# Altium PCB PCB3.PcbDoc (part 3 of 8)
Units mil, origin at the board's own origin, x right, y up, seen from the top; angles counter-clockwise.
Board outline 4763.78 x 6574.87 mil, 6 copper layers (Top Layer, GND, ADDR, DATA, VCC, Bottom Layer), stack 77.691 mil thick; 402 components, 418 nets, 1809 pads, 1202 vias.
Unrouted connection lines stored in the file: 117.
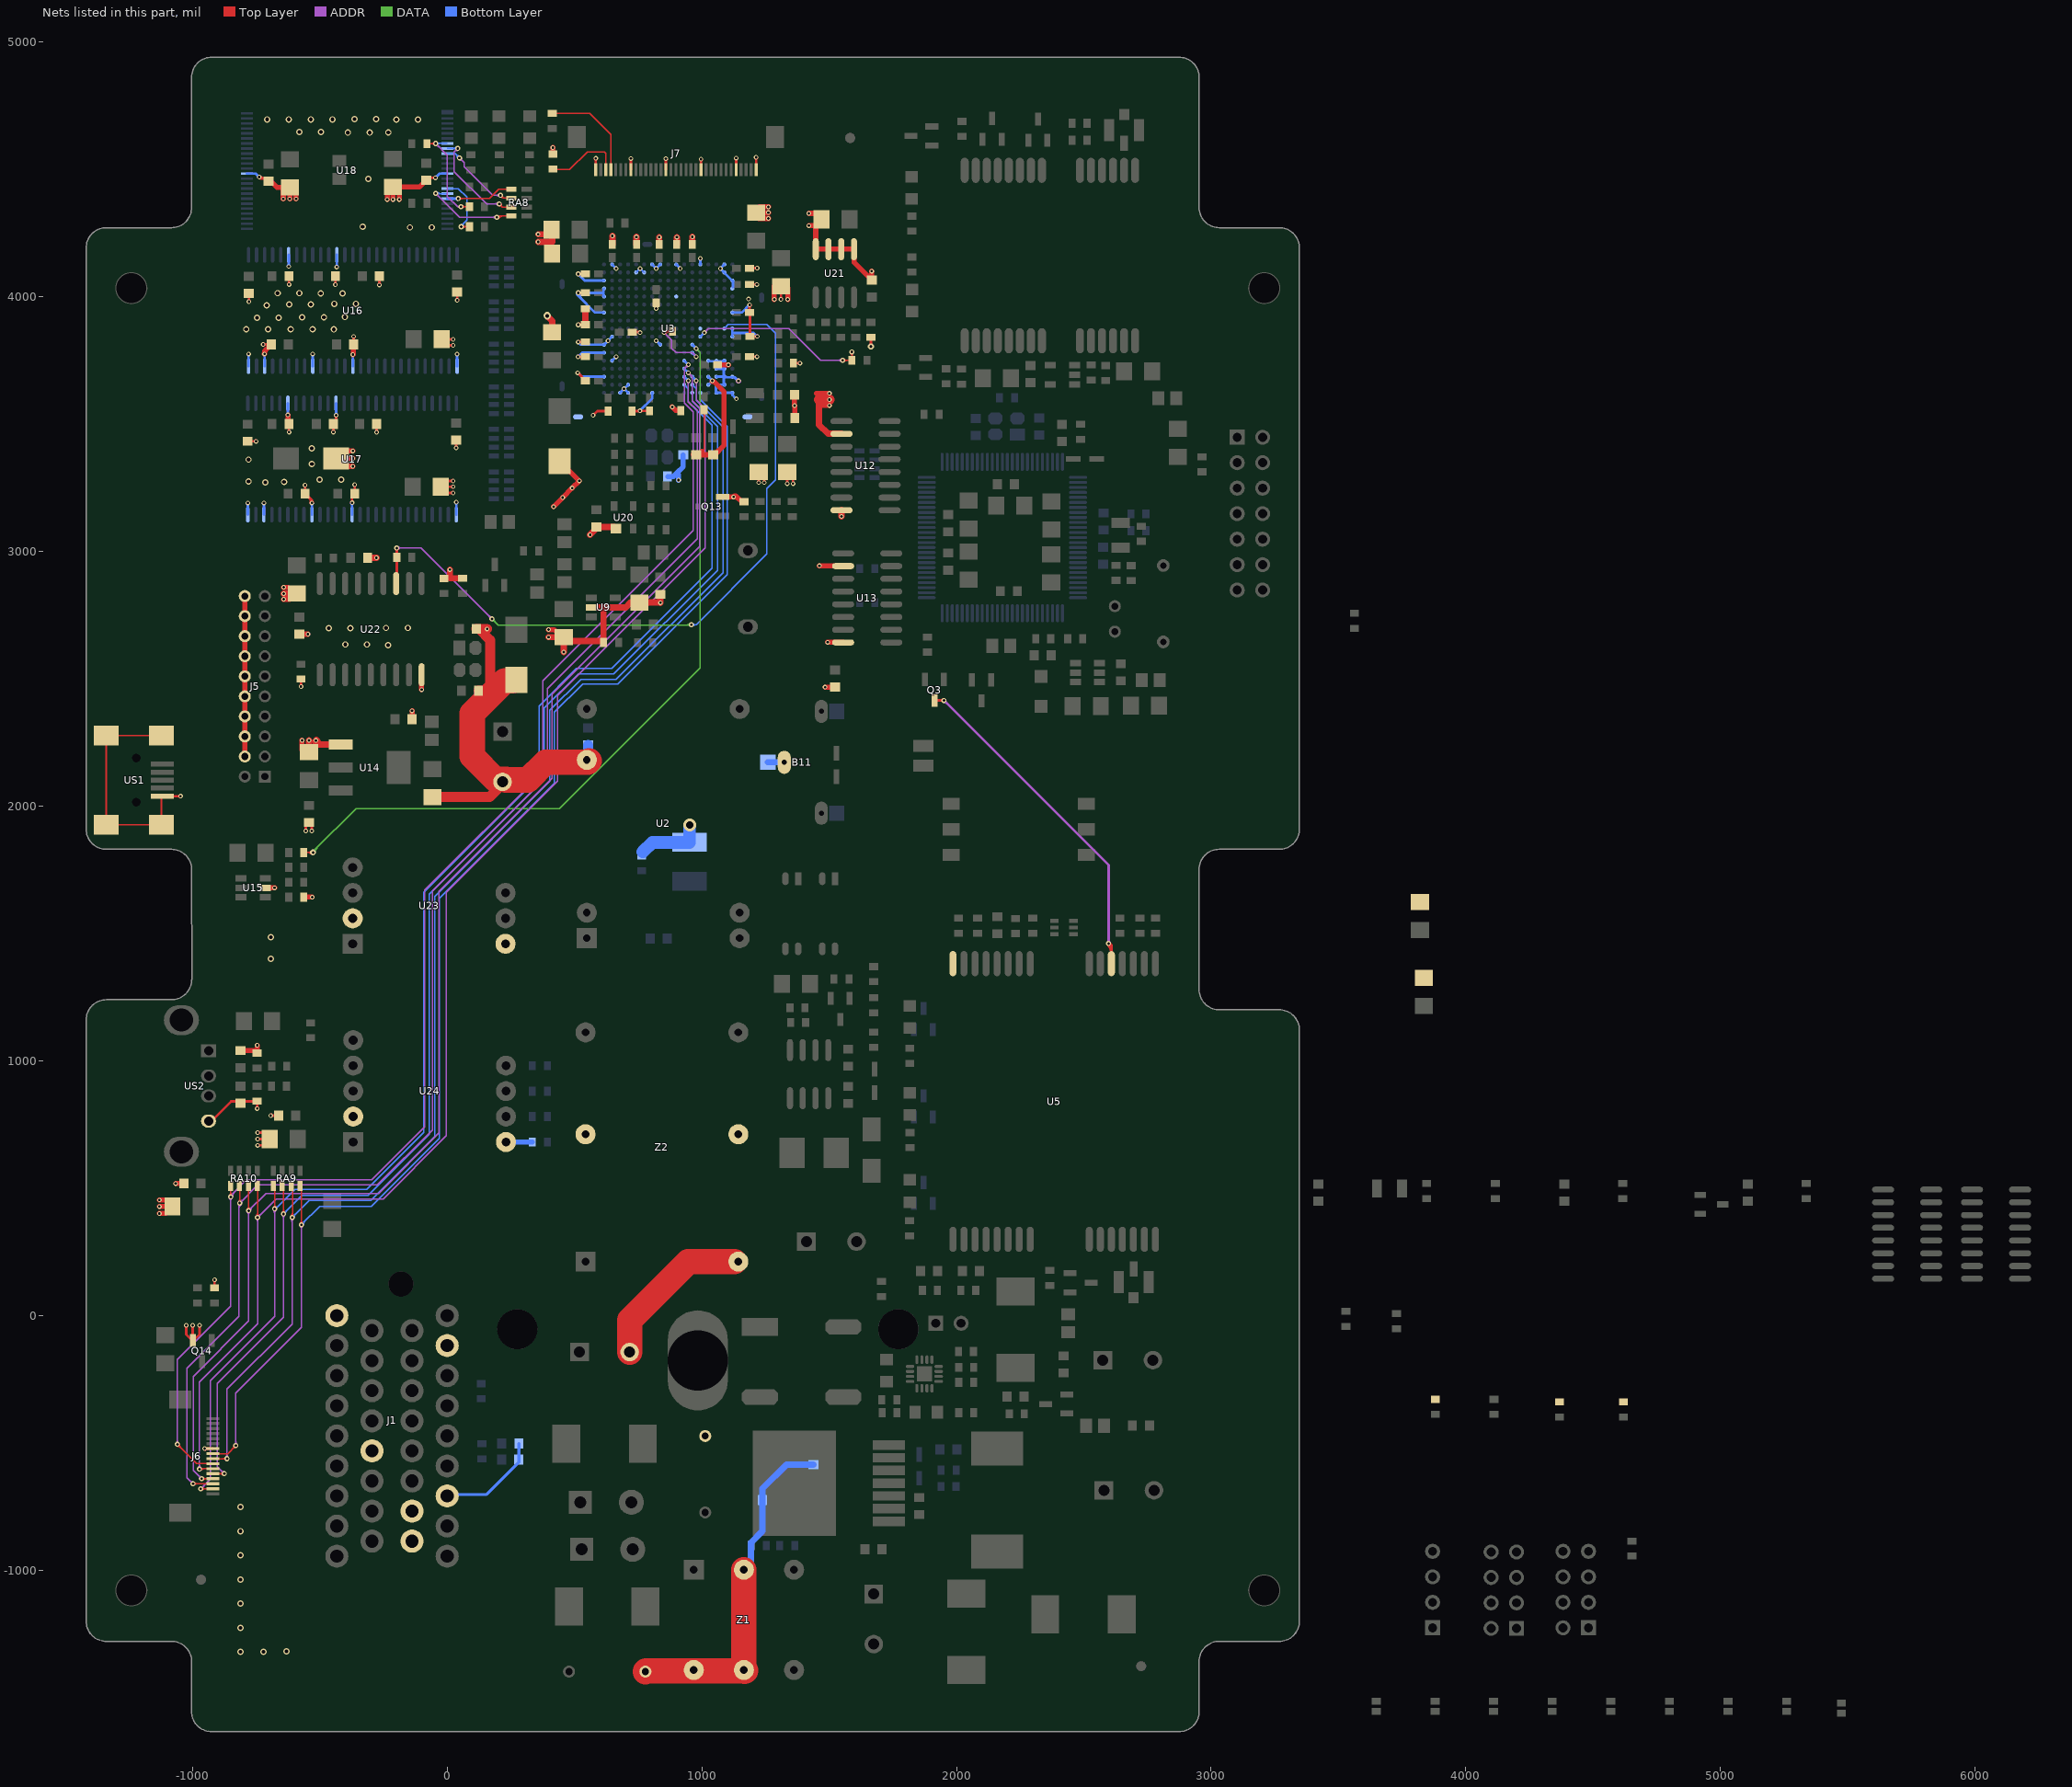
[diagram p7: the nets of this part, all layers, seen from the top]

## Via types
v1: diameter 18, hole 10, Top Layer to Bottom Layer, tented both sides, 404 vias
v2: diameter 20, hole 10, Top Layer to Bottom Layer, tented both sides, 379 vias
v3: diameter 25, hole 15, Top Layer to Bottom Layer, tented both sides, 363 vias
v4: diameter 23.62, hole 11.81, Top Layer to Bottom Layer, tented both sides, 51 vias
v5: diameter 50, hole 28, Top Layer to Bottom Layer, tented both sides, 4 vias
v6: diameter 30, hole 15, Top Layer to Bottom Layer, tented both sides, 1 vias

## Nets (pads, with @x,y where several pads share a name; then routed paths per layer and width w, separated by ;. In a path a pad name is that pad's centre, name@x,y a point inside that pad or via, vN(x,y) a via of type N, cw(c..) or ccw(c..) an arc to the next point about the centre after c; other vN are vias at no path point) (continued)
DGND: B11.2 C8.2 C9.2 C10.2 C11.2 C12.2 C13.2 C14.2 C15.2 C16.2 C17.2 C18.2 C19.2 C20.2 C21.2 C22.2 C23.2 C24.2 C25.2 C26.2 C27.2 C28.2 C29.2 C30.2 C31.2 C32.2 C33.2 C34.2 C35.2 C36.2 C37.2 C38.2 C39.2 C40.2 C41.2 C56.2 C61.2 C62.2 C63.1 C64.1 C65.2 C66.2 C67.2 C68.2 C69.2 C70.2 C71.2 C72.2 C73.2 C74.2 C75.2 C76.2 C77.2 C78.2 C79.2 C80.2 C81.2 C82.2 C83.2 C84.2 C85.2 C86.2 C87.2 C88.2 CM1.1 CP1.2 CP2.2 CP3.2 CP4.2 CP5.2 CP6.2 CP7.2 CP15.2 CP16.2 CP19.2 CP20.2 CP21.2 CP22.2 CP23.2 CP24.2 CP25.2 CP26.2 CP27.2 CP28.2 CP29.2 CP30.2 CT1.2 CT2.2 CT3.2 CV3.2 J1.9 J1.13 J1.33 J5.4 J5.6 J5.8 J5.10 J5.12 J5.14 J5.16 J5.18 J5.20 J6.7 J7.1 J7.5 J7.12 J7.19 J7.26 J7.33 pad.1@514.13,3528.98 pad.1@1179,3528.98 Q13.2 Q14.2 R7.1 R8.2 R23.2 R48.1 R62.2 R66.2 R69.2 R78.2 R86.2 R88.2 R93.1 R97.2 RN3.2 RN4.2 RN5.2 RN10.2 U2.16 U3.A3 U3.A4 U3.A5 U3.A7 U3.A11 U3.A12 U3.A15 U3.B1 U3.B10 U3.B13 U3.C17 U3.D16 U3.D17 U3.E2 U3.F2 U3.G1 U3.G17 U3.H1 U3.H11 U3.K1 U3.M12 U3.N1 U3.P13 U3.P15 U3.P16 U3.R13 U3.R14 U3.R15 U3.R16 U3.R17 U3.T1 U3.T2 U3.T13 U3.T14 U3.T15 U3.T16 U3.T17 U3.U3 U3.U4 U3.U7 U3.U9 U3.U10 U3.U15 U3.U17 U9.2 U12.2 U12.8 U13.2 U13.8 U14.1 U15.2 U16.6 U16.12 U16.28 U16.41 U16.46 U16.52 U16.54 U17.6 U17.12 U17.28 U17.41 U17.46 U17.52 U17.54 U18.13 U18.36 U20.1 U21.1 U21.2 U21.3 U21.4 U22.9 U23.2 U24.2 US1.5 US1.MH1 US1.MH2 US1.MH3 US1.MH4 US2.4 | length 16592
  Top Layer w6: US1.MH3@-1122.05,2277.56 US1.MH4@-1338.58,2277.56 US1.MH2@-1338.58,1927.17 US1.MH1@-1122.05,1927.17 -1122.05,2035.44 US1.5@-1118.11,2039.37 ; 1001.11,3392.85 1010.02,3401.75 1010.02,3555.35 C10.2@1008.83,3556.54
  Top Layer w10: US1.5@-1118.11,2039.37 v1(-1046.99,2039.37) ; v1@-1049.82,2036.54 ccw(c-1056.65,2029.72) -1056.65,2039.37 ccw(c-1056.65,2049.03) v1@-1049.82,2042.2 ; v1@-1027.43,-41.21 cw(c-1034.26,-48.04) -1024.61,-48.04 cw(c-1014.95,-48.04) v1@-1021.78,-41.21 ; v1(-1024.61,-38.39) -1024.61,-73.82 Q14.2@-1002.95,-95.47 ; v1@-1001.84,-41.21 cw(c-1008.67,-48.04) -999.02,-48.04 cw(c-989.36,-48.04) v1@-996.19,-41.21 ; Q14.2@-999.02,-97.44 v1(-999.02,-38.39) ; Q14.2@-995.08,-96.46 -972.44,-73.82 v1(-972.44,-38.39) ; v1@-975.27,-41.21 cw(c-982.1,-48.04) -972.44,-48.04 cw(c-962.78,-48.04) v1@-969.61,-41.21 ; v1@-952.78,-522.64 J6.7@-920.28,-522.64 ; v1@-949.97,-525.49 cw(c-943.08,-532.38) J6.7@-943.08,-522.64 ; v1@-949.97,-519.83 ccw(c-943.21,-513.07) J6.7@-943.21,-522.64 ; US2.4@-937.01,763.78 -925.95,763.78 -848.19,841.54 R69.2@-746.06,841.54 v1(-746.06,812.99) ; v1@-916.28,137.85 cw(c-923.11,131.02) -913.46,131.02 cw(c-903.8,131.02) v1@-910.63,137.85 ; R88.2@-913.46,108.94 v1(-913.46,140.68) ; C73.2@-783.41,3432.97 v1(-749.88,3432.97) ; v1@-781.24,3984.26 ccw(c-788.07,3991.09) -778.41,3991.09 ccw(c-768.75,3991.09) v1@-775.58,3984.26 ; v1(-778.41,3981.43) C71.2@-778.41,4013.97 ; v1@-752.7,3430.14 ccw(c-759.53,3423.31) -759.53,3432.97 ccw(c-759.53,3442.63) v1@-752.7,3435.8 ; v1@-748.89,815.82 ccw(c-755.72,822.65) -746.06,822.65 ccw(c-736.41,822.65) v1@-743.23,815.82 ; v1(-744.09,668.31) CP30.2@-704.72,668.31 ; v1(-744.09,692.91) CP30.2@-696.85,692.91 ; v1(-744.09,718.5) CP30.2@-700.79,718.5 ; v1@-741.27,665.48 cw(c-734.44,658.65) -734.44,668.31 cw(c-734.44,677.96) v1@-741.27,671.14 ; v1@-741.27,690.08 cw(c-734.44,683.26) -734.44,692.91 cw(c-734.44,702.57) v1@-741.27,695.74 ; v1@-741.27,715.68 cw(c-734.44,708.85) -734.44,718.5 cw(c-734.44,728.16) v1@-741.27,721.33 ; v1(-738.19,4470.47) -733.27,4465.55 C79.2@-700.79,4465.55 ; v1@-735.36,4473.3 ccw(c-716.65,4492.01) C79.2@-716.65,4465.55 ; v1(-722.41,3813.43) C66.2@-690.88,3813.43 ; v1@-719.58,3810.61 cw(c-712.75,3803.78) -712.75,3813.43 cw(c-712.75,3823.09) v1@-719.58,3816.26 ; v1(-692.91,785.43) C88.2@-661.42,785.43 ; v1@-690.08,782.6 cw(c-683.26,775.78) -683.26,785.43 cw(c-683.26,795.09) v1@-690.08,788.26 ; v1@-623.78,3471.73 ccw(c-630.6,3478.56) -620.95,3478.56 ccw(c-611.29,3478.56) v1@-618.12,3471.73 ; v1@-623.78,4051.73 ccw(c-630.6,4058.56) -620.95,4058.56 ccw(c-611.29,4058.56) v1@-618.12,4051.73 ; v1(-620.95,3468.9) C78.2@-620.95,3501.43 ; v1(-620.95,4048.9) C70.2@-620.95,4081.43 ; v1@-576.65,2472.32 ccw(c-583.48,2479.15) -573.82,2479.15 ccw(c-564.16,2479.15) v1@-570.99,2472.32 ; v1(-573.82,2469.49) R86.2@-573.82,2499.02 ; v1@-560.78,3258.14 cw(c-567.6,3251.31) -557.95,3251.31 cw(c-548.29,3251.31) v1@-555.12,3258.14 ; v1@-557.95,1905.39 ccw(c-564.77,1912.22) -555.12,1912.22 ccw(c-545.46,1912.22) v1@-552.29,1905.39 ; v1(-557.95,3260.97) C74.2@-557.95,3227.43 -530.89,3200.38 ; v1(-555.12,1902.56) -555.12,1934.06 C61.2@-553.15,1936.02 ; C74.2@-544.38,3213.87 cw(c-567.3,3190.95) v1@-534.89,3190.95 ; v1@-534.32,1905.39 ccw(c-541.15,1912.22) -531.5,1912.22 ccw(c-521.84,1912.22) v1@-528.67,1905.39 ; v1@-533.67,3193.83 ccw(c-539.99,3200.38) -530.89,3200.38 ; v1(-531.5,1902.56) C61.2@-531.5,1935.04 ; v1(-530.89,3190.95) -530.89,3200.38 ; v1@-528.11,3193.83 cw(c-521.79,3200.38) -530.89,3200.38 ; v1@-449.78,3471.8 ccw(c-456.6,3478.63) -446.95,3478.63 ccw(c-437.29,3478.63) v1@-444.12,3471.8 ; v1(-446.95,3468.97) C77.2@-446.95,3501.43 ; v1@-441.78,4050.8 ccw(c-448.6,4057.63) -438.95,4057.63 ccw(c-429.29,4057.63) v1@-436.12,4050.8 ; v1@-439.23,3532.6 cw(c-446.06,3525.77) -436.4,3525.77 cw(c-426.75,3525.77) v1@-433.57,3532.6 ; v1(-438.95,4047.97) C69.2@-438.95,4081.43 ; C77.2@-436.4,3510.45 v1(-436.4,3535.43) ; v1@-376.24,3194.26 ccw(c-383.07,3201.09) -373.41,3201.09 ccw(c-363.75,3201.09) v1@-370.58,3194.26 ; v1(-373.41,3191.43) C75.2@-373.41,3216.97 ; v1@-369.78,3842.07 cw(c-376.6,3835.24) -366.95,3835.24 cw(c-357.29,3835.24) v1@-364.12,3842.07 ; C67.2@-366.95,3812.93 v1(-366.95,3844.9) ; v1@-365.78,3260.07 cw(c-372.6,3253.24) -362.95,3253.24 cw(c-353.29,3253.24) v1@-360.12,3260.07 ; C75.2@-362.95,3227.43 v1(-362.95,3262.9) ; v1@-279.78,3470.8 ccw(c-286.6,3477.63) -276.95,3477.63 ccw(c-267.29,3477.63) v1@-274.12,3470.8 ; v1(-276.95,3467.97) C76.2@-276.95,3501.43 ; v1@-268.78,4049.8 ccw(c-275.6,4056.63) -265.95,4056.63 ccw(c-256.29,4056.63) v1@-263.12,4049.8 ; v1(-265.95,4046.97) C68.2@-265.95,4081.43 ; C80.2@-82.68,4455.71 -70.87,4467.52 v1(-46.26,4467.52) ; v1@-49.09,4464.69 ccw(c-55.92,4457.86) -55.92,4467.52 ccw(c-55.92,4477.18) v1@-49.09,4470.35 ; CP24.2@-21.29,3254.43 v1(23.59,3254.43) ; CP23.2@-21.29,3833.43 v1(23.59,3833.43) ; CP24.2@1.71,3277.43 v1(23.59,3277.43) ; CP24.2@2.71,3230.43 v1(23.59,3230.43) ; CP23.2@2.71,3809.43 v1(23.59,3809.43) ; v1@20.76,3227.61 ccw(c13.93,3220.78) 13.93,3230.43 ccw(c13.93,3240.09) v1@20.76,3233.26 ; v1@20.76,3251.61 ccw(c13.93,3244.78) 13.93,3254.43 ccw(c13.93,3264.09) v1@20.76,3257.26 ; v1@20.76,3274.61 ccw(c13.93,3267.78) 13.93,3277.43 ccw(c13.93,3287.09) v1@20.76,3280.26 ; v1@20.76,3806.61 ccw(c13.93,3799.78) 13.93,3809.43 ccw(c13.93,3819.09) v1@20.76,3812.26 ; v1@20.76,3830.61 ccw(c13.93,3823.78) 13.93,3833.43 ccw(c13.93,3843.09) v1@20.76,3836.26 ; v1@32.76,3409.94 ccw(c25.93,3416.77) 35.59,3416.77 ccw(c45.25,3416.77) v1@38.42,3409.94 ; v1(35.59,3407.11) C72.2@35.59,3437.97 ; v1@36.76,3989.26 ccw(c29.93,3996.09) 39.59,3996.09 ccw(c49.25,3996.09) v1@42.42,3989.26 ; v1(39.59,3986.43) C65.2@39.59,4018.97 ; v1@512.77,3698.21 cw(c512.77,3688.55) 519.6,3695.38 cw(c526.43,3702.21) v1@516.77,3702.21 ; v1(512.77,3702.21) 543.28,3671.69 C25.2@543.28,3670.71 ; v1(514.13,3764.98) C18.2@542.87,3764.98 ; v1(514.46,3822.85) C21.2@542.87,3822.85 ; v2(514.46,3890.85) C15.2@542.87,3890.85 ; v2(514.59,4015.98) C16.2@542.87,4015.98 ; v2(514.59,4089.98) 542.42,4089.98 C40.2@542.87,4090.43 ; v1@516.96,3762.15 cw(c523.79,3755.32) 523.79,3764.98 cw(c523.79,3774.63) v1@516.96,3767.81 ; v1@517.29,3820.02 cw(c524.12,3813.19) 524.12,3822.85 cw(c524.12,3832.51) v1@517.29,3825.68 ; v2@518,3887.31 cw(c526.54,3878.78) 526.54,3890.85 cw(c526.54,3902.92) v2@518,3894.38 ; v2@518.13,4012.44 cw(c526.66,4003.91) 526.66,4015.98 cw(c526.66,4028.05) v2@518.13,4019.51 ; v2@518.13,4086.44 cw(c526.66,4077.91) 526.66,4089.98 cw(c526.66,4102.05) v2@518.13,4093.51 ; v1(572.81,3534.88) 589.54,3551.62 C14.2@631.86,3551.62 ; v1@572.81,3538.88 ccw(c572.81,3548.54) 579.64,3541.71 ccw(c586.47,3534.88) v1@576.81,3534.88 ; v1@580.68,4541.31 cw(c573.85,4534.48) 583.51,4534.48 cw(c593.16,4534.48) v1@586.33,4541.31 ; J7.33@583.51,4499.87 v1(583.51,4544.14) ; v1@693.87,3638.23 v1(694.86,3639.21) ; v1@718.47,4540.63 cw(c711.64,4533.81) 721.3,4533.81 cw(c730.96,4533.81) v1@724.13,4540.63 ; J7.26@721.3,4499.87 v1(721.3,4543.46) ; C24.2@726.35,3551.62 755.89,3551.62 v1(756.86,3552.58) C35.2@795.25,3552.6 ; C22.2@727.05,3862.98 728.38,3861.65 v1@757.84,3861.65 ; C22.2@743.44,3861.65 cw(c743.44,3845.28) v1@755.02,3856.86 ; 744.87,3551.62 ccw(c744.87,3564.58) v1@754.03,3555.41 ; v1@759.69,3549.76 cw(c766.52,3542.93) 766.52,3552.58 cw(c766.52,3562.24) v1@759.69,3555.41 ; v1(852.34,3859.69) 857.26,3864.61 C13.2@884.82,3864.61 ; v1@855.17,3856.86 cw(c873.88,3838.15) C13.2@873.88,3864.61 ; v1@856.27,4539.65 cw(c849.44,4532.82) 859.1,4532.82 cw(c868.75,4532.82) v1@861.92,4539.65 ; J7.19@859.1,4499.87 v1(859.1,4542.48) ; v1@994.06,4538.35 cw(c987.23,4531.53) 996.89,4531.53 cw(c1006.55,4531.53) v1@999.72,4538.35 ; J7.12@996.89,4499.87 v1(996.89,4541.18) ; v1@1131.86,4542.6 cw(c1125.03,4535.78) 1134.69,4535.78 cw(c1144.34,4535.78) v1@1137.51,4542.6 ; J7.5@1134.69,4499.87 v1(1134.69,4545.43) ; v1@1135.88,3598.48 v1(1135.88,3599.59) ; C36.2@1184.06,3937.01 1188.95,3932.11 C26.2@1188.95,3844.92 v1(1218.07,3844.92) ; C32.2@1186.98,3765.2 v1(1217.09,3765.2) ; C36.2@1186.98,3939.41 v1@1186.98,3970.45 ; 1186.98,3956.41 cw(c1200.09,3956.41) v1@1190.82,3965.68 ; C33.2@1186.98,4048.66 v1(1216.51,4048.66) ; C37.2@1186.98,4112.64 v1(1217.49,4112.64) ; v1@1210.6,4545.24 cw(c1203.77,4538.41) 1213.43,4538.41 cw(c1223.08,4538.41) v1@1216.25,4545.24 ; J7.1@1213.43,4499.87 v1(1213.43,4548.07) ; v1@1213.68,4045.83 ccw(c1206.85,4039.01) 1206.85,4048.66 ccw(c1206.85,4058.32) v1@1213.68,4051.49 ; v1@1214.26,3762.37 ccw(c1207.43,3755.54) 1207.43,3765.2 ccw(c1207.43,3774.85) v1@1214.26,3768.03 ; v1@1214.67,4109.81 ccw(c1207.84,4102.98) 1207.84,4112.64 ccw(c1207.84,4122.3) v1@1214.67,4115.47 ; v1@1215.24,3842.09 ccw(c1208.41,3835.27) 1208.41,3844.92 ccw(c1208.41,3854.58) v1@1215.24,3847.75 ; v1@1220.57,3273.52 ccw(c1213.74,3280.35) 1223.4,3280.35 ccw(c1233.06,3280.35) v1@1226.23,3273.52 ; v1(1223.4,3270.69) CP7.2@1223.4,3311.46 ; v1(1245.05,3270.69) CP7.2@1245.05,3289.8 ; v1@1308.2,3992.99 ccw(c1301.37,3999.81) 1311.02,3999.81 ccw(c1320.68,3999.81) v1@1313.85,3992.99 ; v1(1311.02,3990.16) CP5.2@1311.02,4041.34 ; v1(1335.6,3266.71) CP4.2@1335.6,3311.46 ; v1(1358.29,3266.71) CP4.2@1358.29,3288.77 ; R23.2@1360.24,3739.83 v1(1385.5,3739.83) ; v1@1382.68,3737.01 ccw(c1375.85,3730.18) 1375.85,3739.83 ccw(c1375.85,3749.49) v1@1382.68,3742.66 ; v4@1659.31,3809.69 ccw(c1647.68,3821.32) 1664.12,3821.32 ccw(c1680.57,3821.32) v4@1668.94,3809.69 ; v4(1664.12,3804.87) R93.1@1664.12,3840.76
  Top Layer w20: v1(-1129.92,400.59) CP27.2@-1104.33,400.59 ; v1(-1129.92,428.15) CP27.2@-1078.74,428.15 ; v1(-1129.92,453.74) CP27.2@-1103.35,453.74 ; v1(-1065.94,518.7) C82.2@-1033.46,518.7 ; C63.1@-812.01,1040.35 R66.2@-753.94,1040.35 ; J5.4@-794.62,2196.52 J5.6@-794.62,2273.98 J5.8@-794.62,2352.72 J5.10@-794.62,2431.46 J5.12@-794.62,2510.2 J5.14@-794.62,2588.94 J5.16@-794.62,2667.68 J5.18@-794.62,2746.42 J5.20@-794.62,2825.16 ; R66.2@-746.06,1030.45 R66.2@-746.06,1032.48 ; v1(-746.06,1061.02) R66.2@-746.06,1032.48 ; R66.2@-741.14,1027.56 R66.2@-746.06,1032.48 ; v1@-717.87,3775.98 cw(c-692.6,3775.98) -710.47,3793.84 ; v1@-716.54,3775.59 -716.54,3787.77 C66.2@-690.88,3813.43 ; U15.2@-714.59,1679.57 v1(-677.6,1679.57) ; C79.2@-695.87,4457.68 -668.31,4430.12 CP26.2@-618.11,4430.12 v1(-618.11,4384.84) ; v1(-643.7,4384.84) CP26.2@-643.7,4417.32 ; v1(-642.17,2812.44) CP29.2@-618.54,2812.44 ; v1(-642.17,2859.8) CP29.2@-624.57,2859.8 ; v1(-625.38,3536.47) -625.38,3502.35 C78.2@-623.03,3500 ; v1(-593.5,4384.84) CP26.2@-593.5,4427.17 ; C84.2@-579.75,2675.63 v1(-546.69,2675.63) ; CP21.2@-569.88,2221.46 v1(-569.88,2258.86) ; R62.2@-563.02,1643.15 v1(-529.96,1643.15) ; CT3.2@-436.05,3365.59 v1(-370.27,3365.59) ; CT3.2@-421.07,3394.87 v1(-370.27,3394.87) ; CT3.2@-410.62,3334.83 v1(-370.27,3334.83) ; v1(-370.41,3773.43) -369.09,3774.75 C67.2@-369.09,3822.83 ; v1(-235.24,4382.87) CP25.2@-235.24,4419.29 ; v1(-212.6,4382.87) CP25.2@-212.6,4431.1 -109.25,4431.1 C80.2@-82.68,4457.68 ; CP25.2@-192.91,4417.32 -187.99,4412.4 v1(-187.99,4382.87) ; C62.2@-137.82,2340.99 v1(-137.82,2374.97) ; v1(-100.22,2457.85) U22.9@-100.22,2516.18 ; v1(398.07,2693.46) 419.73,2693.46 CP16.2@445.87,2667.32 ; RN10.2@415.35,4561.02 v1(415.35,4586.61) ; v1(417.73,3176.18) v1(453.74,3212.19) v1(490.85,3249.3) v1(519.11,3277.56) CT2.2@441.9,3354.77 ; v1(883.86,3567.91) 898.19,3553.58 C12.2@917.3,3553.58 ; C28.2@967.08,3380.36 C28.2@977.34,3380.36 ; 1001.11,3392.85 988.19,3379.92 1042.32,3379.92 C29.2@1043.31,3380.91 ; v1@1040.35,3668.31 1046.26,3668.31 1087.6,3626.97 1087.6,3417.32 C29.2@1049.21,3378.94 ; C11.2@1064.31,3731.37 C11.2@1061.98,3733.7 1104.88,3733.7 v1(1104.45,3733.27) ; Q13.2@1081.67,3214.57 v1(1125,3214.57) 1137.8,3214.57 ; v1@1124.38,3215.35 cw(c1130.65,3207.42) 1137.8,3214.57 ; v1@1125,3215.57 cw(c1125,3187.09) 1145.14,3207.23 ; R78.2@1156.5,3195.87 1137.8,3214.57 ; CP6.2@1213.58,4330.71 v1(1261.81,4330.71) ; CP6.2@1224.41,4308.07 v1(1261.81,4308.07) ; CP6.2@1225.39,4353.35 v1(1261.81,4353.35) ; v1(1284.45,3990.16) 1284.45,4042.32 CP5.2@1297.24,4055.12 ; v1(1337.6,3990.16) CP5.2@1337.6,4035.43 ; C30.2@1364.15,3615.59 v1(1364.15,3572.86) 1365.13,3571.88 C19.2@1365.13,3525.04 ; v1(1420.49,4279.74) CP28.2@1447.39,4279.74 ; v1(1420.49,4327.97) CP28.2@1458.87,4327.97 ; CP28.2@1447.39,4281.51 CP28.2@1455.48,4289.6 ; 1450.79,3621.06 v1(1500.98,3621.06) ; v1(1461.61,2943.9) U13.2@1555.12,2943.9 ; CP28.2@1462.6,4282.48 1459.86,4279.74 CP28.2@1447.39,4279.74 ; 1469.49,3573.82 v1(1500.98,3573.82) ; v1(1484.25,2467.52) C41.2@1522.64,2467.52 ; v1(1493.9,2643.9) U13.8@1555.12,2643.9 ; v1(1667.08,4101.13) C83.2@1667.08,4066.16 1597.39,4135.84 U21.1@1597.39,4187.22 U21.2@1547.39,4187.22 U21.3@1497.39,4187.22 U21.4@1447.39,4187.22 CP28.2@1447.39,4279.74
  Top Layer w25: v1(-642.17,2835.08) CP29.2@-590.58,2835.08 ; v1(-542.35,2258.83) CP21.2@-542.35,2213.03 CP21.2@-513.8,2241.58 ; CP21.2@-522.67,2232.71 ccw(c-547.84,2257.87) v1@-512.25,2257.87 ; v1@-518.22,2255.4 ccw(c-484.85,2288.77) -484.85,2241.58 ; v1@-513.09,2260.15 cw(c-523.48,2251.25) CP21.2@-513.8,2241.58 ; U14.1@-404.55,2241.58 CP21.2@-513.8,2241.58 ; C85.2@-312.03,2975.83 v1(-277.58,2975.83) ; v1(10.83,2929.28) 10.83,2896.1 11.81,2895.12 R7.1@61,2895.12 ; v1(357.53,4215.55) 412.47,4215.55 CP2.2@412.47,4262.15 ; v1(357.53,4245.82) 392.01,4245.82 CP2.2@410.41,4264.21 ; v6(392.69,3925.63) 412.38,3905.95 CP1.2@412.38,3860.67 ; v1(398.07,2663.82) CP16.2@445.87,2663.82 ; v1(457.65,2605.34) CP16.2@457.65,2663.82 472.42,2649.06 608.24,2649.06 R48.1@614.15,2643.15 614.15,2780.95 ; C15.2@542.87,3890.85 C23.2@542.87,3952.98 ; v1(561.42,3065.35) 586.59,3090.53 C81.2@586.59,3096.89 656.47,3096.89 U20.1@663.36,3090 ; U9.2@565.92,2780.95 614.15,2780.95 ; C17.2@648.59,4206.02 v1(648.59,4239.14) ; C20.2@743.59,4206.02 v1(743.59,4235.19) ; C38.2@832.59,4206.02 v1(832.59,4234.62) ; v1(837.57,2799.24) 837.57,2810.01 ; C56.2@837.57,2832.13 837.57,2810.01 ; C34.2@901.59,4206.02 v1(901.59,4234.73) ; C39.2@962.59,4206.02 v1(962.59,4235.65) ; 1458.66,3596.46 1460.63,3596.46 1460.63,3498.03 1496.06,3462.6 U12.2@1548.23,3462.6 ; v1(1548.23,3137.8) U12.8@1548.23,3162.6 ; 614.15,2780.95 701.75,2780.95 720.45,2799.65 CP15.2@754.9,2799.65 827.21,2799.65 837.57,2810.01
  Top Layer w39.37: CP22.2@-38.41,2035.87 166.77,2035.87 CV3.2@234.25,2103.35 ; C87.2@115.13,2696.3 C87.2@124.57,2696.3 ; C86.2@123.01,2454.17 149.06,2454.17 169.29,2474.41 169.29,2651.57 C87.2@124.57,2696.3 ; v1(156.93,2696.3) C87.2@124.57,2696.3 ; 1460.63,3596.46 v1(1500.98,3596.46)
  Top Layer w100: CV3.2@230.29,2104.76 231.71,2103.35 234.25,2103.35 316.93,2103.35 386.81,2173.23 U2.16@552.17,2173.23 ; CV3.2@232.28,2106.3 187.99,2106.3 98.43,2195.87 98.43,2364.17 226.38,2492.13 CT1.2@255.91,2492.13 ; U2.16@554.62,2175.69 U2.16@557.09,2178.15
  ADDR w5: v1(852.34,3859.69) 882,3830.02 882,3798.53 899.58,3780.95 962.57,3780.95 v1(978.32,3765.2)
  ADDR w10: v1@757.84,3861.65 v1@759.82,3861.65 ; v1(1218.07,3844.92) v1@1218.5,3844.49
  ADDR w20: v1@1143.7,3669.41 v1(1144.14,3669.84)
  Bottom Layer w5: U3.C17@679.11,3619.53 U3.C17@679.11,3623.47
  Bottom Layer w6: U3.E2@742.1,4095.91 v1(757.85,4111.65) U3.F2@773.6,4095.91 ; v1@751.85,4111.65 cw(c737.36,4111.65) 747.6,4101.41 cw(c757.85,4091.17) 757.85,4105.65 cw(c757.85,4091.17) U3.F2@768.09,4101.41 ; v1@763.85,4111.65 ccw(c778.33,4111.65) U3.F2@768.09,4101.41
  Bottom Layer w10: U18.36@-786.94,4484.31 -752.03,4484.31 v1(-738.19,4470.47) ; v1@-785.69,3188.16 cw(c-792.52,3181.33) -782.86,3181.33 cw(c-773.2,3181.33) v1@-780.03,3188.16 ; U17.54@-782.86,3144.93 v1(-782.86,3190.99) ; v1@-782.69,3773.16 cw(c-789.52,3766.33) -779.86,3766.33 cw(c-770.2,3766.33) v1@-777.03,3773.16 ; U16.54@-779.86,3727.93 v1(-779.86,3775.99) ; v1@-742.19,4470.47 ccw(c-751.85,4470.47) -745.02,4477.3 ccw(c-738.19,4484.13) v1@-738.19,4474.47 ; v1@-722.7,3188.15 cw(c-729.52,3181.32) -719.87,3181.32 cw(c-710.21,3181.32) v1@-717.04,3188.15 ; U17.52@-719.87,3144.93 v1(-719.87,3190.98) ; v1@-719.7,3773.15 cw(c-726.52,3766.32) -716.87,3766.32 cw(c-707.21,3766.32) v1@-714.04,3773.15 ; U16.52@-716.87,3727.93 v1(-716.87,3775.98) ; v1@-628.21,3539.29 ccw(c-635.04,3546.12) -625.38,3546.12 ccw(c-615.72,3546.12) v1@-622.55,3539.29 ; v1(-625.38,3536.47) U17.6@-625.38,3581.94 ; v1@-625.21,4122.23 ccw(c-632.04,4129.06) -622.38,4129.06 ccw(c-612.72,4129.06) v1@-619.55,4122.23 ; v1(-622.38,4119.4) U16.6@-622.38,4164.94 ; v1@-533.72,3188.13 cw(c-540.55,3181.3) -530.89,3181.3 cw(c-521.23,3181.3) v1@-528.06,3188.13 ; U17.46@-530.89,3144.93 v1(-530.89,3190.95) ; v1@-530.72,3773.13 cw(c-537.55,3766.3) -527.89,3766.3 cw(c-518.23,3766.3) v1@-525.06,3773.13 ; U16.46@-527.89,3727.93 v1(-527.89,3775.95) ; v1@-439.23,3538.25 ccw(c-446.06,3545.08) -436.4,3545.08 ccw(c-426.75,3545.08) v1@-433.57,3538.25 ; v1(-436.4,3535.43) U17.12@-436.4,3581.94 ; v1@-436.23,4120.25 ccw(c-443.06,4127.08) -433.4,4127.08 ccw(c-423.75,4127.08) v1@-430.57,4120.25 ; v1(-433.4,4117.43) U16.12@-433.4,4164.94 ; v1@-376.24,3188.61 cw(c-383.07,3181.78) -373.41,3181.78 cw(c-363.75,3181.78) v1@-370.58,3188.61 ; U17.41@-373.41,3144.93 v1(-373.41,3191.43) ; v1@-373.24,3770.61 cw(c-380.07,3763.78) -370.41,3763.78 cw(c-360.75,3763.78) v1@-367.58,3770.61 ; U16.41@-370.41,3727.93 v1(-370.41,3773.43) ; v1(-46.26,4467.52) -29.47,4484.31 U18.13@0.46,4484.31 ; v1@-46.26,4471.52 ccw(c-46.26,4481.18) -39.43,4474.35 ccw(c-32.6,4467.52) v1@-42.26,4467.52 ; v1@33.21,3191.05 cw(c26.38,3184.23) 36.04,3184.23 cw(c45.69,3184.23) v1@38.87,3191.05 ; U17.28@36.04,3144.93 v1(36.04,3193.88) ; v1@36.21,3772.16 cw(c29.38,3765.33) 39.04,3765.33 cw(c48.69,3765.33) v1@41.87,3772.16 ; U16.28@39.04,3727.93 v1(39.04,3774.99) ; v2@509.59,4015.98 ccw(c526.17,4015.98) 514.45,4004.25 ; v2@511.1,4012.4 cw(c503.01,4004.11) 514.59,4004.11 ; v1@512.74,3702.55 512.93,3702.36 528.83,3686.46 U3.A15@616.12,3686.46 ; v1@512.77,3698.21 cw(c512.77,3687.79) 520.13,3695.16 ; v1(514.13,3764.98) 530.1,3780.95 U3.A12@616.12,3780.95 ; v1@514.13,3768.98 ccw(c514.13,3778.63) 520.96,3771.81 ccw(c527.79,3764.98) v1@518.13,3764.98 ; v1@514.46,3818.85 cw(c514.46,3809.19) 521.29,3816.02 cw(c528.12,3822.85) v1@518.46,3822.85 ; v1(514.46,3822.85) 524.87,3812.44 U3.A11@616.12,3812.44 v1(631.86,3828.19) U3.B10@647.61,3843.94 ; v2@514.59,4084.98 cw(c514.59,4072.91) 523.13,4081.44 cw(c531.66,4089.98) v2@519.59,4089.98 ; v2(514.59,4089.98) 540.16,4064.41 U3.A3@616.12,4064.41 ; v1@516.77,3702.21 ccw(c525.67,3702.21) 519.38,3695.91 ; v2@518.08,4012.4 ccw(c526.17,4004.11) 514.59,4004.11 ; v2@518.13,4012.44 cw(c526.66,4003.91) 526.66,4015.98 cw(c526.66,4028.05) v2@518.13,4019.51 ; v2@519.59,4015.98 ccw(c560.31,4015.98) 531.52,3987.18 ; U3.A7@616.12,3938.43 580.27,3938.43 514.59,4004.11 ; U3.A5@616.12,4001.42 613.87,4003.67 613.87,4019.14 ; U3.A4@616.12,4032.92 613.87,4030.67 613.87,4019.14 ; v1@627.86,3828.19 cw(c618.21,3828.19) 625.04,3821.36 cw(c631.86,3814.53) v1@631.86,3824.19 ; v1@631.86,3832.19 ccw(c631.86,3841.85) 638.69,3835.02 ccw(c645.52,3828.19) v1@635.86,3828.19 ; U3.B13@647.61,3749.45 v1(663.36,3765.2) ; U3.B1@647.61,4127.4 v1(663.36,4111.66) ; v1@659.36,3765.2 cw(c649.7,3765.2) 656.53,3758.37 cw(c663.36,3751.54) v1@663.36,3761.2 ; v1@659.36,4111.66 ccw(c649.7,4111.66) 656.53,4118.48 ccw(c663.36,4125.31) v1@663.36,4115.66 ; U3.C17@679.11,3623.47 U3.D16@710.6,3654.96 ; v1@690.86,3639.21 cw(c681.2,3639.21) 688.03,3632.39 cw(c694.86,3625.56) 694.86,3635.21 cw(c694.86,3625.56) 701.69,3632.39 cw(c708.51,3639.21) 698.86,3639.21 cw(c708.51,3639.21) 701.68,3646.04 cw(c694.86,3652.87) v1@694.86,3643.21 ; v1(694.86,3639.21) U3.D17@710.6,3623.47 ; v1(756.86,3552.58) 805.09,3600.82 U3.G17@805.09,3623.47 ; v1@756.86,3556.58 ccw(c756.86,3566.24) 763.69,3559.41 ccw(c770.52,3552.58) v1@760.86,3552.58 ; U3.G1@805.09,4127.4 v1(820.84,4111.66) U3.H1@836.59,4127.4 ; v1@816.84,4111.66 ccw(c807.18,4111.66) 814.01,4118.48 ccw(c820.84,4125.31) 820.84,4115.66 ccw(c820.84,4125.31) 827.67,4118.48 ccw(c834.5,4111.66) v1@824.84,4111.66 ; v1@820.84,3824.19 cw(c820.84,3814.53) 827.67,3821.36 cw(c834.5,3828.19) v1@824.84,3828.19 ; v1(820.84,3828.19) U3.H11@836.59,3812.44 ; U3.K1@899.58,4127.4 v1(915.33,4111.66) ; v1@911.33,4111.66 ccw(c901.67,4111.66) 908.5,4118.48 ccw(c915.33,4125.31) v1@915.33,4115.66 ; U3.M12@962.57,3780.95 v1(978.32,3765.2) ; v1@991.24,4148.09 cw(c984.41,4141.26) 994.07,4141.26 cw(c1003.73,4141.26) v1@996.9,4148.09 ; U3.N1@994.07,4127.4 v1(994.07,4150.92) ; U3.P15@1025.57,3686.46 v1(1041.31,3670.71) 1026.12,3655.51 U3.P16@1025.59,3655.51 ; U3.P13@1025.57,3749.45 1027.82,3747.2 1080.27,3747.2 U3.T13@1082.08,3749.02 ; v1@1041.31,3666.71 ccw(c1041.31,3657.05) 1034.49,3663.88 ccw(c1027.66,3670.71) 1037.31,3670.71 ccw(c1027.66,3670.71) 1034.49,3677.54 ccw(c1041.31,3684.37) v1@1041.31,3674.71 ; U3.R15@1057.06,3686.46 1085.08,3686.46 U3.T15@1086.31,3687.68 ; U3.R14@1057.06,3717.95 U3.T14@1086.31,3717.95 ; v1@1072.81,4107.66 cw(c1072.81,4098) 1079.64,4104.83 cw(c1086.47,4111.66) 1076.81,4111.66 cw(c1086.47,4111.66) 1079.64,4118.48 cw(c1072.81,4125.31) v1@1072.81,4115.66 ; U3.T2@1085.63,4097.44 U3.U3@1122.31,4060.76 ; U3.T13@1088.56,3749.45 U3.T13@1088.12,3749.02 ; U3.T2@1088.56,4095.91 v1(1072.81,4111.66) U3.T1@1088.56,4127.4 ; U3.T16@1089.57,3653.54 U3.T16@1087.6,3655.51 ; U3.T16@1089.57,3655.51 U3.T16@1090.55,3655.51 ; U3.T15@1090.55,3685.04 1096.02,3685.04 1096.85,3684.21 1128.79,3684.21 v1@1143.7,3669.29 ; U3.T13@1090.55,3749.02 U3.T13@1088.12,3749.02 ; U3.U9@1120.05,3875.43 1120.05,3858.27 ; U3.U7@1120.05,3938.43 1156.93,3938.43 v1@1187.99,3969.49 ; U3.U3@1120.05,4064.41 1122.31,4062.16 U3.U3@1122.31,4060.76 ; U3.U10@1121.06,3843.5 1120.05,3844.51 1120.05,3858.27 ; 1126.98,3607.27 ccw(c1135.88,3616.18) v1@1135.88,3603.59 ; 1135.63,3677.37 ccw(c1144.14,3685.87) v1@1144.14,3673.84 ; v1(1135.88,3599.59) 1134.67,3599.59 1120.05,3614.2 U3.U17@1120.05,3623.47 U3.T17@1088.56,3623.47 U3.R17@1057.06,3623.47 1055.67,3623.47 1055.67,3654.09 1057.09,3655.51 U3.T16@1087.6,3655.51 ; 1179.48,3960.98 cw(c1187.99,3952.47) v1@1187.99,3964.5 ; 1209.56,3852.45 ccw(c1218.07,3860.96) v1@1218.07,3848.92 ; v1@1218.5,3843.5 1203.74,3858.27 1120.05,3858.27 ; 514.59,4004.11 v2(514.59,4015.98) 610.71,4015.98 613.87,4019.14 ; U3.T15@1086.31,3687.68 1086.31,3656.8 U3.T16@1087.6,3655.51 ; U3.T15@1086.31,3687.68 U3.T14@1086.31,3717.95 ; U3.T14@1086.31,3717.95 1086.31,3747.2 U3.T13@1088.12,3749.02 ; 1122.31,4041.21 1122.31,4038.96 1121.06,4037.71 1121.06,4039.96 1122.31,4041.21 ; 1122.31,4041.21 U3.U3@1122.31,4060.76